# Altium PCB EBAZ4205.PcbDoc (part 4 of 6)
Units mil, origin at the board's own origin, x right, y up, seen from the top; angles counter-clockwise.
Board outline 3958.82 x 3829.88 mil, 4 copper layers (Top Layer, MidLayer1, MidLayer2, Bottom Layer); 565 components, 392 nets, 1912 pads, 1242 vias.
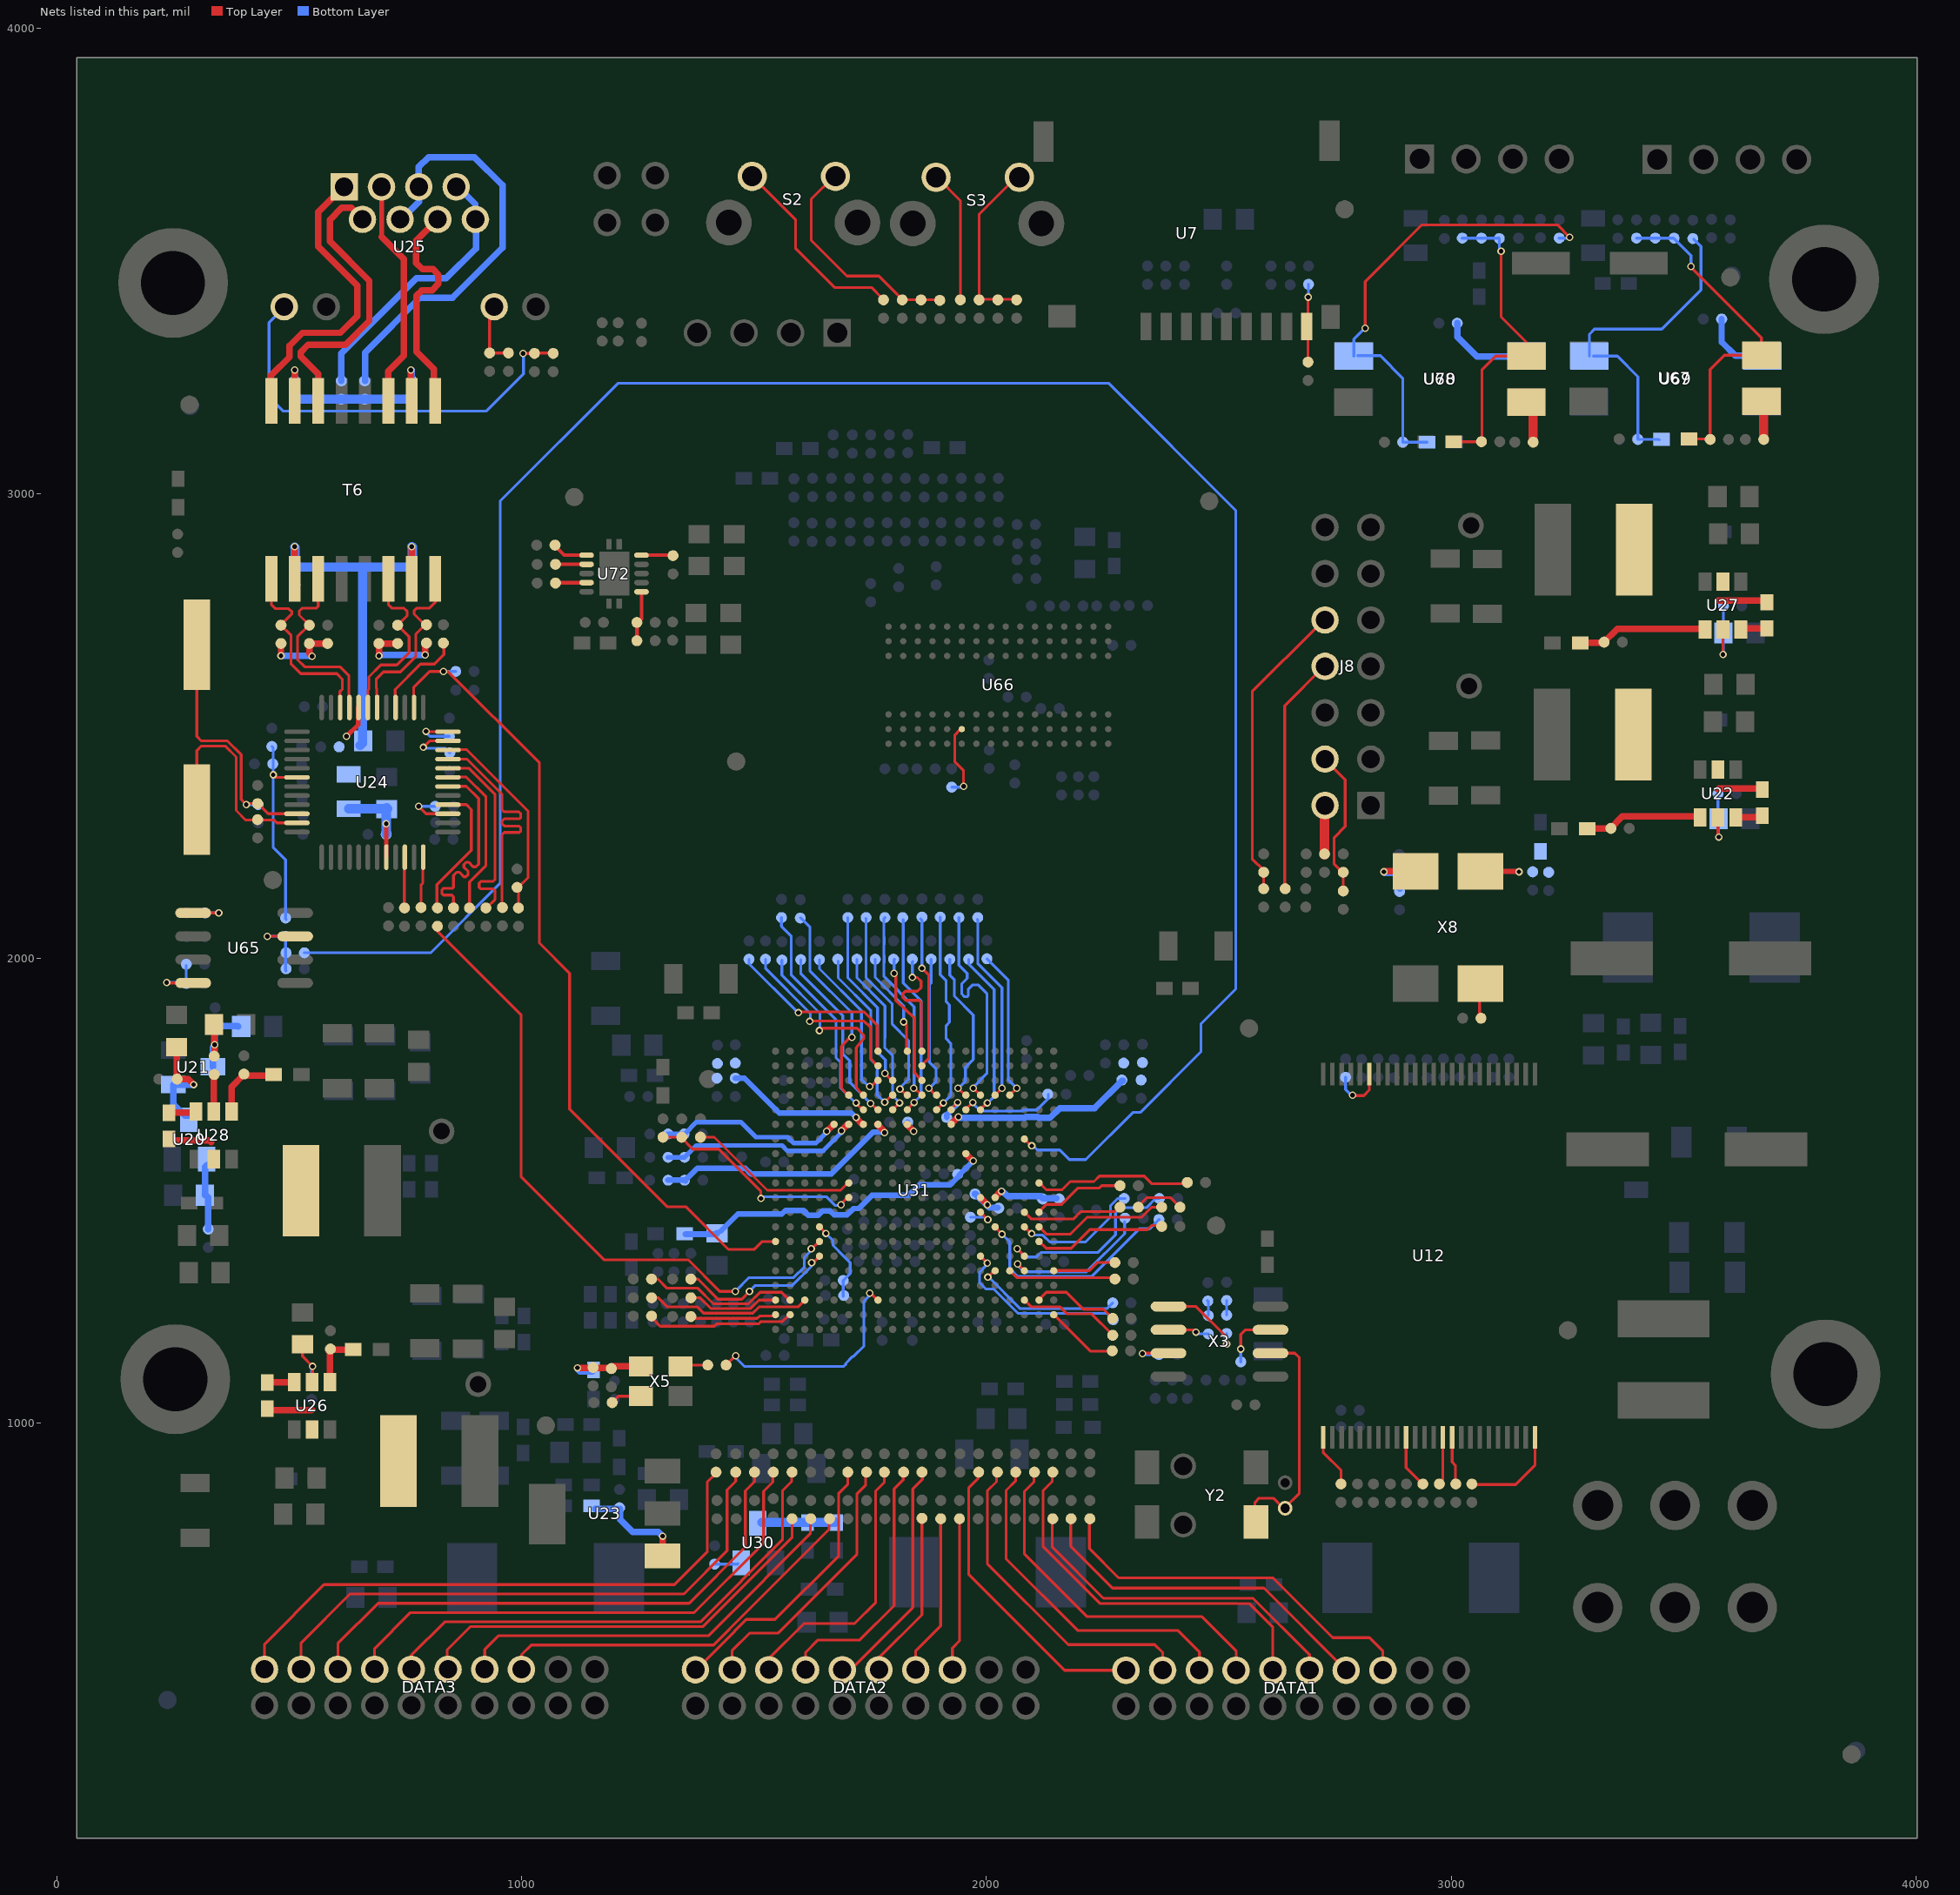
[diagram p6: the nets of this part, all layers, seen from the top]

## Via types
v1: diameter 16, hole 10, Top Layer to Bottom Layer, 1172 vias
v2: diameter 16, hole 10, Top Layer to Bottom Layer, tented both sides, 70 vias

## Nets (pads, with @x,y where several pads share a name; then routed paths per layer and width w, separated by ;. In a path a pad name is that pad's centre, name@x,y a point inside that pad or via, vN(x,y) a via of type N, cw(c..) or ccw(c..) an arc to the next point about the centre after c; other vN are vias at no path point) (continued)
NetR117_2: R117.2 X3.3 | length 128.1
  Top Layer w6: v1(2547.24,1159.45) 2547.24,1190.94 2557.09,1200.79 X3.3@2611.22,1200.79
  Bottom Layer w6: R117.2@2547.24,1131.89 v1@2547.24,1160.43
NetR120_2: R120.2 R2438.1 | length 33.3
  Bottom Layer w6: R2438.1@2475.39,1263.78 2477.36,1261.81 R120.2@2477.36,1231.3
NetR122_2: R122.2 R2439.1 | length 31.5
  Bottom Layer w6: R122.2@2516.73,1232.28 R2439.1@2516.73,1263.78
NetR1345_1: R1344.1 R1345.1 R1348.1 R2544.1 R2552.2 U67.2 | length 701.2
  Top Layer w6: R2552.2@3511.81,3117.13 R2544.1@3553.15,3117.13 ; v1(3515.75,3488.19) 3515.75,3486.22 3667.32,3334.65 U67.2@3667.32,3297.24 ; R2544.1@3557.09,3116.14 3557.09,3266.73 3587.6,3297.24 U67.2@3646.65,3297.24
  Bottom Layer w6: R1344.1@3398.62,3549.21 3478.35,3549.21 3515.75,3511.81 v1@3515.75,3491.14
NetR1346_1: R1346.1 R2350.2 R2554.2 U69.4 | length 738.1
  Bottom Layer w6: U69.4@3297.24,3295.28 3297.24,3342.52 3308.07,3353.35 3452.76,3353.35 3537.4,3437.99 3537.4,3531.5 R1346.1@3521.65,3547.24 ; U69.4@3306.1,3295.28 3357.28,3295.28 3401.57,3250.98 R2350.2@3401.58,3116.14 3446.85,3116.14 R2554.2@3447.83,3115.16
NetR1360_1: R1360.1 U12.19 | length 120.7
  Top Layer w6: v1(2787.4,1705.71) 2788.39,1704.72 2812.01,1704.72 2823.48,1716.19 U12.19@2823.48,1750.98
  Bottom Layer w6: R1360.1@2772.64,1744.09 2772.64,1717.52 v1@2785.43,1704.72
NetR1362_1: R1361.1 R1362.1 R1365.1 R2549.1 R2553.2 U68.2 | length 676.6
  Top Layer w6: R2553.2@3004.92,3111.22 R2549.1@3064.96,3111.22 ; R2549.1@3065.95,3112.2 3065.95,3265.75 3095.47,3295.28 U68.2@3161.42,3295.28 3161.42,3325.79 3107.28,3379.92 v1(3107.28,3520.67)
  Bottom Layer w6: R1362.1@3023.62,3549.21 3101.38,3549.21 R1365.1@3102.36,3550.2 ; R1365.1@3103.35,3548.23 3103.35,3522.64 v1@3105.32,3520.67
NetR1363_1: R1363.1 R2556.2 R2557.2 U70.4 | length 997.8
  Top Layer w6: v1(2814.96,3355.31) 2814.96,3455.71 2937.01,3577.76 3228.35,3577.76 v1(3254.92,3551.18)
  Bottom Layer w6: U70.4@2790.35,3295.28 2790.35,3331.69 2812.01,3353.35 v1@2813.98,3353.35 ; U70.4@2798.23,3296.26 2847.44,3296.26 2895.67,3248.03 R2556.2@2895.67,3110.24 ; R2556.2@2897.64,3111.22 2898.62,3110.24 R2557.2@2947.83,3110.24 ; R1363.1@3232.28,3549.21 3251.97,3549.21 v1@3252.95,3550.2
NetR1372_1: R1372.1 X5.3 | length 47.2
  Top Layer w6: X5.3@1353.35,1125 R1372.1@1400.59,1125
NetR1372_2: R1372.2 U31.N18 | length 470.7
  Top Layer w6: R1372.2@1439.96,1125 1459.65,1144.68 v1(1460.63,1144.68) ; v1@1750.98,1279.53 U31.N18@1764.87,1265.65
  Bottom Layer w6: v1(1460.63,1144.68) 1460.63,1140.75 1479.33,1122.05 1692.91,1122.05 1697.43,1126.57 1697.43,1128.49 1712.66,1143.72 1714.59,1143.72 1736.22,1165.35 1736.22,1261.81 v1@1750,1275.59
  other v1: 1749.02,1279.53
NetR1373_2: C625.1 R1373.2 U20.1 | length 144.2
  Bottom Layer w14: C625.1@318.9,1490.16 318.9,1551.18 U20.1@322.83,1555.12 ; C625.1@318.9,1492.13 325.79,1485.24 R1373.2@325.79,1417.32
NetR1384_2: R1384.2 T6.10 | length 91.3
  Top Layer w14: v1(761.81,3265.75) 761.81,3200.65 T6.10@763.64,3198.82
  Bottom Layer w14: R1384.2@763.78,3242.13 v1@763.78,3265.75
NetR1385_2: R1385.2 R2560.1 U24.22 | length 430.1
  Top Layer w6: U24.22@854.33,2448.82 881.89,2448.82 1013.78,2316.93 1013.78,2173.23 993.11,2152.56 993.11,2112.2 R1385.2@995.08,2110.24
NetR1388_1: C366.1 R1388.1 R1411.1 | length 157.8
  Top Layer w14: v1(482.28,2650.59) R1388.1@482.28,2677.17 ; R1411.1@543.31,2677.17 543.31,2655.51 v1(549.21,2649.61) ; R1411.1@545.28,2678.15 546.26,2677.17 C366.1@582.68,2677.17
  Bottom Layer w14: v1(482.28,2650.59) 544.29,2650.59 v1@545.28,2649.61
NetR1393_1: R1393.1 U24.28 | length 198.5
  Top Layer w6: U24.28@727.81,2539.37 727.81,2578.2 782.48,2632.87 812.01,2632.87 832.68,2653.54 R1393.1@832.68,2677.17
NetR1400_2: R1400.2 T6.15 | length 88.4
  Top Layer w14: T6.15@511.95,3198.82 v1@511.95,3264.62
  Bottom Layer w14: R1400.2@511.81,3242.13 v1@511.81,3264.76
  other v1: 511.81,3265.75
NetR1404_1: R1384.1 R1400.1 R1404.1 R1407.1 | length 251
  Bottom Layer w20: R1400.1@511.81,3202.76 R1384.1@762.8,3202.76
NetR1406_1: C372.1 R1406.1 R1409.1 | length 194.1
  Top Layer w14: C372.1@690.95,2679.13 C372.1@692.91,2677.17 ; v1(692.91,2650.59) C372.1@692.91,2677.17 ; R1406.1@733.27,2677.17 C372.1@692.91,2677.17 ; v1(792.32,2652.56) R1409.1@792.32,2678.15
  Bottom Layer w14: v1@693.9,2651.57 694.88,2652.56 v1(792.32,2652.56)
NetR1413_2: C386.1 R1413.2 U26.5 | length 111.6
  Top Layer w6: C386.1@528.54,1169.29 528.54,1143.7 v1(550.2,1122.05) 550.2,1099.41 U26.5@551.18,1098.42
  Bottom Layer w6: R1413.2@548.23,1090.55 548.23,1119.09 v1@550.2,1121.06
NetR1493_1: R1493.1 R2512.2 U31.F11 | length 83.2
  Top Layer w14: U31.F11@1986.43,1485.75 2001.97,1470.21 v1(2001.97,1469.49)
  Bottom Layer w14: R1493.1@1975.39,1493.11 1976.38,1493.11 2005.91,1463.58 R2512.2@2023.62,1463.58
NetR1500_1: R1500.1 R1501.1 U31.R11 | length 474.1
  Top Layer w6: R1501.1@1304.13,1615.16 1342.52,1615.16 1368.11,1589.57 1424.21,1589.57 1514.76,1499.02 v1@1514.76,1485.24 ; v1@1687.99,1470.47 1687.99,1472.18 U31.R11@1701.57,1485.75
  Bottom Layer w6: v1(1514.76,1483.27) 1518.7,1487.2 1655.51,1487.2 1674.21,1468.5 v1@1686.02,1468.5
  other v1: 1687.01,1469.49
NetR1502_1: R1502.1 U31.L6 | length 47.9
  Top Layer w14: U31.L6@1828.17,1642.98 1843.19,1627.95 v1(1843.5,1627.95)
  Bottom Layer w12: R1502.1@1830.71,1647.64 1830.71,1640.75 v1@1844.49,1626.97
NetR1503_1: R1503.1 U31.R10 | length 368
  Top Layer w6: R1503.1@1384.84,1615.16 1414.37,1615.16 1528.54,1500.98 1686.02,1500.98 U31.R10@1699.8,1514.76
NetR1504_2: J8.4 R38.1 R1504.2 | length 305.8
  Top Layer w6: J8.4@2737.2,2418.31 2771.65,2383.86 2771.65,2283.46 2748.03,2259.84 2748.03,2202.76 2767.72,2183.07 R1504.2@2767.72,2144.68
NetR1505_2: J8.8 R1505.2 | length 511.4
  Top Layer w6: R1505.2@2642.72,2151.57 2641.73,2152.56 2641.73,2543.31 2725.39,2626.97 J8.8@2726.38,2626.97
NetR1506_2: J8.10 R36.1 R1506.2 | length 638.4
  Top Layer w6: R1506.2@2596.46,2149.61 2596.46,2188.98 2571.85,2213.58 2571.85,2573.82 2712.6,2714.57 J8.10@2717.52,2714.57
NetR1949_2: R1948.2 R1949.2 U65.4 | length 138.6
  Top Layer w6: v1(236.22,1947.83) 237.2,1946.85 U65.4@293.31,1946.85
  Bottom Layer w6: v1(236.22,1947.83) 277.56,1947.83 R1948.2@278.54,1946.85 ; R1948.2@278.54,1945.87 R1949.2@278.54,1984.25
NetR2336_1: R2336.1 U65.1 | length 82.1
  Top Layer w6: U65.1@293.31,2097.44 v1(348.43,2097.44)
  Bottom Layer w6: R2336.1@318.9,2097.44 344.49,2097.44 v1@345.47,2098.42
NetR2340_2: R2340.2 X8.3 | length 75
  Top Layer w6: R2340.2@3062.01,1872.05 3061.02,1873.03 3061.02,1943.9 X8.3@3062.99,1945.87
NetR2389_1: R2389.1 R2391.2 X8.1 | length 134.9
  Top Layer w14: v1(2855.32,2186.02) 2856.3,2187.01 X8.1@2923.23,2187.01
  Bottom Layer w14: v1(2855.32,2186.02) 2857.28,2184.05 R2389.1@2885.83,2184.05 ; R2389.1@2887.8,2184.05 2887.8,2151.57 R2391.2@2889.76,2149.61
NetR2430_1: R2430.1 U31.B10 | length 347
  Top Layer w6: U31.B10@2113.03,1517.2 2113.71,1517.2 2128.94,1501.97 2162.4,1501.97 2180.12,1519.68 2231.3,1519.68 2243.11,1531.5 2339.57,1531.5 2356.3,1514.76 2426.18,1514.76 R2430.1@2432.09,1520.67
NetR2433_1: R2432.1 R2433.1 U31.E11 | length 139.5
  Top Layer w14: U31.E11@2018.08,1485.75 2029.86,1497.54 v1@2030.02,1497.54
  Bottom Layer w14: v1@2034.45,1499.02 2045.28,1488.19 2116.14,1488.19 2121.06,1483.27 R2432.1@2150.59,1483.27
  other v1: 2032.48,1499.02
NetR2455_1: R2455.1 U66.L8 | length 161.3
  Top Layer w6: U66.L8@1946.85,2492.13 1943.9,2492.13 1932.09,2480.31 1932.09,2422.24 1950.79,2403.54 v1(1950.79,2370.08)
  Bottom Layer w6: R2455.1@1925.2,2368.11 v1@1948.82,2368.11
NetR2461_2: R2461.2 U31.U15 | length 332.6
  Top Layer w6: R2461.2@1364.17,1310.04 1378.94,1310.04 1422.24,1266.73 1473.43,1266.73 v1(1490.16,1283.46) ; v1@1625,1343.5 1638.26,1356.77 U31.U15@1638.26,1359.98
  Bottom Layer w6: v1(1490.16,1283.46) 1502.95,1296.26 1582.68,1296.26 1623.03,1336.61 v1@1623.03,1341.54
  other v1: 1624.02,1345.47
NetR2462_2: R2462.2 U31.W19 | length 314.4
  Top Layer w6: R2462.2@1279.53,1230.31 1279.53,1227.36 1298.23,1208.66 1414.37,1208.66 1419.29,1213.58 1509.84,1213.58 1514.76,1218.5 1561.02,1218.5 U31.W19@1573.82,1231.3
NetR2463_2: R2463.2 U31.W18 | length 331.4
  Top Layer w6: R2463.2@1279.53,1310.04 1293.31,1310.04 1312.99,1290.35 1378.94,1290.35 1412.56,1256.73 1488.03,1256.73 1512.8,1281.5 1559.06,1281.5 U31.W18@1572.83,1267.72
NetR2464_2: R2464.2 U31.Y18 | length 198.1
  Top Layer w6: R2464.2@1364.17,1269.68 1383.86,1269.68 1406.81,1246.73 1492.8,1246.73 1510.83,1264.76 U31.Y18@1545.28,1264.76
NetR2466_2: R2466.2 U31.Y19 | length 184
  Top Layer w6: R2466.2@1364.17,1229.33 1368.11,1225.39 1506.89,1225.39 1511.81,1230.31 1540.35,1230.31 U31.Y19@1543.31,1233.27
NetR2468_1: R2468.1 R2487.2 U23.1 | length 224.7
  Top Layer w14: U23.1@1303.15,714.57 v1(1303.15,756.89)
  Bottom Layer w14: R2468.1@1158.46,815.94 1211.61,815.94 1211.61,793.31 1239.17,765.75 1294.29,765.75 v1(1303.15,756.89)
NetR2472_1: DATA1.19 R2472.1 | length 651.3
  Top Layer w6: R2472.1@1982.28,893.7 1982.28,880.91 1961.61,860.24 1961.61,675.2 2168.31,468.5 DATA1.19@2300.2,468.5
NetR2473_1: DATA1.17 R2473.1 | length 692.7
  Top Layer w6: R2473.1@2021.65,887.8 2021.65,874.02 2001.97,854.33 2001.97,697.83 2176.18,523.62 2362.2,523.62 2379.16,506.67 DATA1.17@2379.16,468.5
NetR2473A_1: DATA1.13 R2473A.1 | length 767.1
  Top Layer w6: R2473A.1@2102.36,893.7 2102.36,874.02 2081.69,853.35 2081.69,718.5 2216.54,583.66 2463.58,583.66 2537.07,510.17 DATA1.13@2537.07,468.5
NetR2474_1: DATA1.15 R2474.1 | length 733.2
  Top Layer w6: R2474.1@2062.99,894.68 2062.99,875.98 2042.32,855.31 2042.32,707.68 2195.87,554.13 2411.42,554.13 2458.12,507.44 DATA1.15@2458.12,468.5
NetR2476_1: DATA1.11 R2476.1 | length 823
  Top Layer w6: R2476.1@2141.73,890.75 2141.73,875 2122.05,855.31 2122.05,734.25 2244.09,612.2 2564.96,612.2 2616.03,561.13 DATA1.11@2616.03,468.5
NetR2477_1: DATA1.9 R2477.1 | length 740.5
  Top Layer w6: R2477.1@2141.73,791.34 2141.73,733.27 2251.8,623.2 2573.65,623.2 2694.99,501.86 DATA1.9@2694.99,468.5
NetR2478_1: DATA1.7 R2478.1 | length 759.4
  Top Layer w6: R2478.1@2181.1,791.34 2181.1,735.24 2271.13,645.2 2597.25,645.2 DATA1.7@2773.95,468.5
NetR2479_1: DATA1.5 R2479.1 | length 826.2
  Top Layer w6: R2479.1@2222.44,792.32 2221.46,791.34 2221.46,730.31 2284.57,667.2 2616.26,667.2 2745.08,538.39 2823.82,538.39 2852.91,509.3 DATA1.5@2852.91,468.5
NetR2484_1: DATA2.5 R2484.1 | length 328.6
  Top Layer w6: DATA2.5@1926.73,469.49 1926.73,516.29 1941.93,531.5 1941.93,790.35 R2484.1@1942.91,791.34
NetR2485_1: DATA2.7 R2485.1 | length 349.1
  Top Layer w6: DATA2.7@1847.77,469.49 1847.77,510.17 1901.58,563.98 R2485.1@1901.58,796.26
NetR2486_1: DATA2.9 R2486.1 | length 360.5
  Top Layer w6: DATA2.9@1768.81,469.49 1768.81,495.19 1861.22,587.6 1861.22,790.35 R2486.1@1862.2,791.34
NetR2487A_1: DATA2.11 R2487A.1 | length 504.1
  Top Layer w6: DATA2.11@1689.85,469.49 1707.68,469.49 1841.54,603.35 1841.54,858.27 1862.2,878.94 R2487A.1@1862.2,891.73
NetR2488_1: DATA2.13 R2488.1 | length 561.7
  Top Layer w6: DATA2.13@1610.89,469.49 1610.89,506.56 1637.8,533.46 1727.36,533.46 1801.18,607.28 1801.18,858.27 1820.87,877.95 R2488.1@1820.87,891.73
NetR2489_1: DATA2.15 R2489.1 | length 588.2
  Top Layer w6: DATA2.15@1531.93,469.49 1531.93,493.55 1607.28,568.9 1716.54,568.9 1761.81,614.17 1761.81,854.33 1780.51,873.03 R2489.1@1780.51,890.75
NetR2490_1: DATA2.17 R2490.1 | length 580.9
  Top Layer w6: DATA2.17@1452.98,469.49 1452.98,511.05 1490.16,548.23 1551.18,548.23 1721.46,718.5 1721.46,848.42 1740.16,867.13 R2490.1@1740.16,895.67
NetR2491_1: DATA2.19 R2491.1 | length 593.2
  Top Layer w6: DATA2.19@1374.02,469.49 1375.63,469.49 1457.91,551.77 1457.91,552.18 1483.49,577.76 1545.28,577.76 1682.09,714.57 1682.09,849.41 1701.77,869.09 R2491.1@1701.77,889.76
NetR2496_1: DATA3.5 R2496.1 | length 828.9
  Top Layer w6: DATA3.5@999.56,470.47 999.56,501.53 1020.59,522.56 1413.14,522.56 1446.91,556.32 1446.91,556.73 1661.42,771.24 R2496.1@1661.42,795.28
NetR2497_1: DATA3.7 R2497.1 | length 874.8
  Top Layer w6: DATA3.7@920.6,470.47 920.6,513.12 950.04,542.56 1402.03,542.56 1424.91,565.44 1424.91,565.84 1621.06,762 R2497.1@1621.06,790.35
NetR2498_1: DATA3.9 R2498.1 | length 925.6
  Top Layer w6: DATA3.9@841.65,470.47 839.57,472.55 839.57,511.81 890.32,562.56 1390.32,562.56 1402.91,575.15 ; 1402.91,574.55 1402.91,575.15 ; R2498.1@1581.69,794.29 1581.69,753.94 1402.91,575.15
NetR2499_1: DATA3.11 R2499.1 | length 1080.4
  Top Layer w6: DATA3.11@762.69,470.47 762.69,500.88 834.37,572.56 1384.57,572.56 1561.02,749.02 1561.02,854.33 1580.71,874.02 R2499.1@1580.71,889.76
NetR2500_1: DATA3.13 R2500.1 | length 1131.7
  Top Layer w6: DATA3.13@683.73,470.47 683.73,515.42 760.87,592.56 1371.32,592.56 1520.67,741.91 1520.67,853.35 1540.35,873.03 R2500.1@1540.35,889.76
NetR2501_1: DATA3.15 R2501.1 | length 1185.3
  Top Layer w6: DATA3.15@604.77,470.47 604.77,526.03 691.3,612.56 1360.21,612.56 1481.3,733.65 1481.3,854.33 1500.98,874.02 R2501.1@1500.98,892.72
NetR2502_1: DATA3.17 R2502.1 | length 1208.8
  Top Layer w6: DATA3.17@525.59,494.09 525.59,527.56 630.59,632.56 1349.09,632.56 1441.93,725.39 1441.93,856.3 1460.63,875 R2502.1@1460.63,894.68
NetR2503_1: DATA3.19 R2503.1 | length 1263.5
  Top Layer w6: DATA3.19@446.85,470.47 446.85,524.61 574.8,652.56 1328.74,652.56 1399.61,723.42 1399.61,874.02 R2503.1@1416.34,890.75
NetR2540_1: R2540.1 R2541.1 U31.U13 | length 187.2
  Top Layer w6: U31.U13@1638.26,1422.87 1640.13,1422.87 v1@1656.5,1406.5
  Bottom Layer w6: v1@1656.5,1406.5 v1@1657.48,1405.51 ; v1@1657.48,1407.48 v1@1657.48,1405.51 ; R2541.1@1691.93,1272.64 1691.93,1305.12 R2540.1@1692.91,1306.1 ; R2540.1@1691.93,1307.09 1706.69,1321.85 1706.69,1345.47 1693.02,1359.14 1669.78,1382.35 1669.78,1393.21 v1@1657.48,1405.51
  other v1: 1654.78,1408.21
NetR2543_2: R2445.2 R2543.2 | length 107.8
  Top Layer w6: R2445.2@2326.77,1464.57 2326.77,1466.53 2345.47,1485.24 2395.67,1485.24 R2543.2@2416.34,1464.57
NetR2545_2: R2545.2 U67.1 | length 72.3
  Top Layer w20: R2545.2@3672.24,3116.14 3672.24,3180.12 U67.1@3678.15,3186.02
NetR2547_2: R2547.2 U68.1 | length 66.4
  Top Layer w20: U68.1@3175.2,3176.18 3176.18,3175.2 R2547.2@3176.18,3110.24
NetR2602_2: J8.2 R2602.2 | length 106.7
  Top Layer w20: R2602.2@2727.36,2222.44 2727.36,2327.76 J8.2@2728.35,2328.74
NetR2605_1: R2605.1 U28.5 | length 80.7
  Top Layer w14: U28.5@337.6,1670.28 R2605.1@337.6,1750.98
NetR2615_1: R2615.1 R2616.1 U72.1 | length 109.4
  Top Layer w8: R2616.1@1248.03,2683.07 1248.03,2720.47 1257.87,2730.31 U72.1@1257.87,2788.39
NetR2618_2: R2618.2 U72.5 | length 68.9
  Top Layer w8: U72.5@1256.89,2867.13 R2618.2@1325.79,2867.13
NetR2800_2: C402.1 C626.1 R2605.2 R2800.2 U21.3 | length 210.4
  Top Layer w14: R2605.2@337.6,1787.4 339.57,1789.37 v1(339.57,1813.98) 338.58,1814.96 C402.1@338.58,1857.28
  Bottom Layer w14: U21.3@335.63,1766.73 335.63,1808.07 v1@339.57,1812.01 ; R2800.2@338.58,1856.3 339.57,1855.31 v1(339.57,1813.98) ; R2800.2@340.55,1854.33 388.78,1854.33 C626.1@389.76,1853.35
NetS2_3: C73.2 R120A.2 R2646.2 S2.3 | length 492.4
  Top Layer w6: S2.3@1675.2,3682.09 1672.24,3682.09 1623.03,3632.87 1623.03,3544.29 1699.8,3467.52 1768.7,3467.52 R2646.2@1816.93,3419.29 ; R2646.2@1816.93,3416.34 C73.2@1902.56,3416.34
NetS2_4: R2647.2 S2.4 | length 425.7
  Top Layer w6: S2.4@1496.06,3682.09 1589.57,3588.58 1589.57,3526.57 1673.23,3442.91 1752.95,3442.91 R2647.2@1776.58,3419.29
NetS3_3: C2410.2 R2648.2 R2650.2 S3.3 | length 364.4
  Top Layer w6: R2650.2@1983.27,3418.31 1984.25,3417.32 2062.99,3417.32 R2648.2@2063.98,3416.34 ; R2650.2@1984.25,3416.34 1984.25,3600.39 S3.3@2054.13,3670.28
NetS3_4: R2641A.2 S3.4 | length 282.4
  Top Layer w6: S3.4@1891.73,3680.12 1893.7,3680.12 1943.9,3629.92 1943.9,3423.23 R2641A.2@1941.93,3421.26
NetT6_1: R1388.2 T6.1 U24.34 | length 409.7
  Top Layer w6: T6.1@461.61,2815.94 461.61,2760.83 470.47,2751.97 499.02,2751.97 505.91,2745.08 505.91,2741.14 R1388.2@480.32,2715.55 ; R1388.2@482.28,2716.54 503.94,2694.88 503.94,2632.87 524.61,2612.2 602.36,2612.2 614.17,2600.39 614.17,2578.74 609.25,2573.82 U24.34@609.25,2555.12
NetT6_3: R1411.2 T6.3 U24.33 | length 415.2
  Top Layer w6: R1411.2@540.35,2714.57 517.72,2691.93 517.72,2642.72 533.46,2626.97 609.25,2626.97 628.49,2607.73 U24.33@628.49,2539.37 ; R1411.2@541.34,2718.5 521.65,2738.19 521.65,2747.05 527.56,2752.95 558.07,2752.95 562.29,2757.17 T6.3@562.29,2815.94
NetT6_6: R1406.2 T6.6 U24.31 | length 365.7
  Top Layer w6: U24.31@669.29,2552.17 669.29,2576.77 671.26,2578.74 671.26,2605.31 696.85,2630.91 731.3,2630.91 757.87,2657.48 757.87,2691.93 R1406.2@733.27,2716.54 ; T6.6@713.3,2815.94 713.3,2761.11 721.46,2752.95 747.05,2752.95 753.94,2746.06 753.94,2737.2 R1406.2@737.2,2720.47
NetT6_8: R1409.2 T6.8 U24.30 | length 383.5
  Top Layer w6: U24.30@688.08,2539.37 688.08,2580.62 687.01,2581.69 687.01,2600.39 702.76,2616.14 739.17,2616.14 772.64,2649.61 772.64,2697.83 R1409.2@792.32,2717.52 ; R1409.2@789.37,2719.49 768.7,2740.16 768.7,2748.03 773.62,2752.95 801.18,2752.95 813.98,2765.75 T6.8@813.98,2815.94
NetU7_9: R166.1 R167.2 U7.9 | length 168.4
  Top Layer w6: U7.9@2688.98,3359.25 2691.93,3362.2 v1(2691.93,3422.24) ; U7.9@2690.95,3359.25 2691.93,3358.27 R167.2@2691.93,3282.48